# Allegro board ZC7020-PCB.brd (continued)
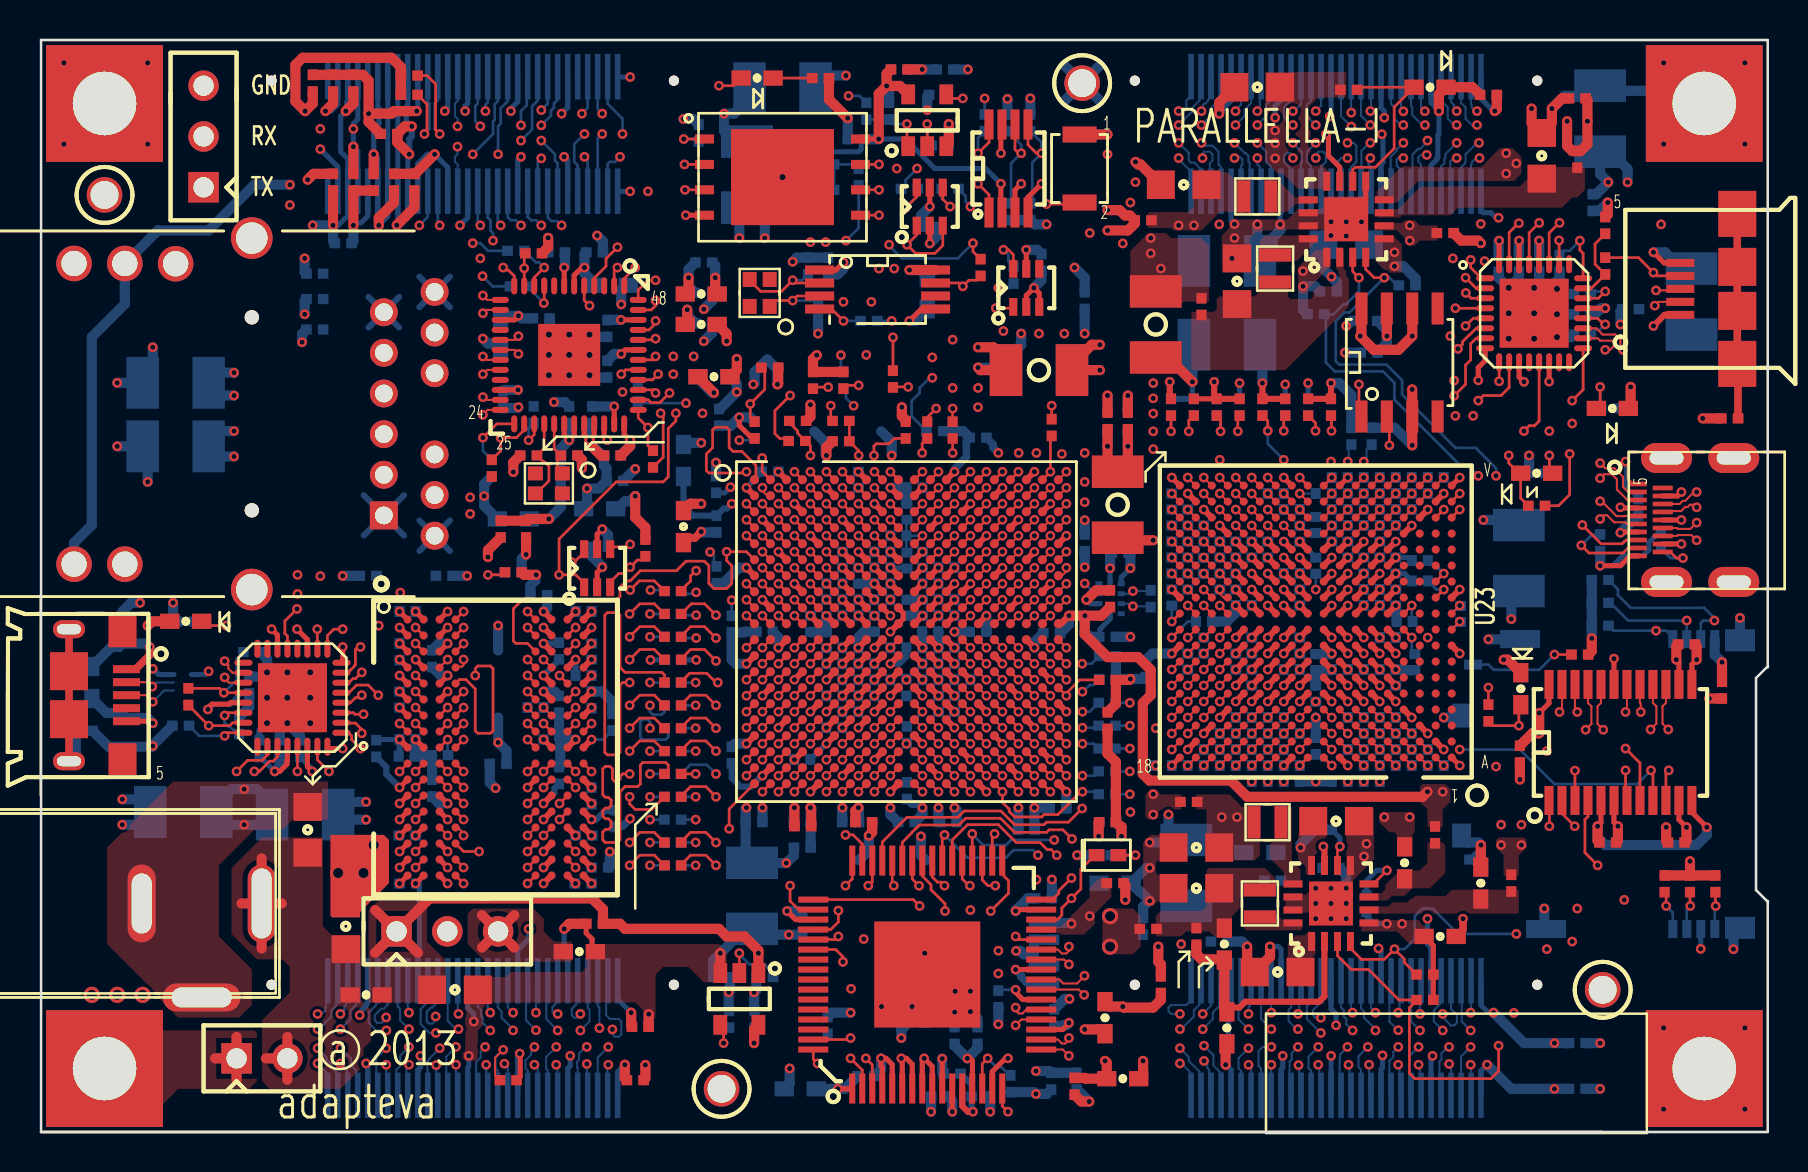
[diagram p0: board, top side]
## Copper pours and planes (outline as drawn; the poured copper is in the pictures) (continued)
2P5V on L10_SIG: 13.77,48.77 13.52,49.02 13.52,51.82 14.15,52.45 28.25,52.45 30.03,50.67 41.2,50.67 45.9,45.97 48.69,45.97 51.74,42.93 53.77,42.93 53.84,42.86 55.11,42.86 55.43,42.55 55.43,37.85 54.92,37.34 54.92,36.96 54.54,36.58 53.27,36.58 53.14,36.7 53.14,37.59 53.65,38.1 53.65,40.51 53.39,40.77 52.5,40.77 52.38,40.64 48.31,40.64 47.42,41.53 47.04,41.53 46.41,42.16 44.88,42.16 44.38,42.67 44,42.67 42.73,43.94 42.73,44.58 42.6,44.7 41.84,44.7 39.3,47.24 31.04,47.24 30.79,47.5 25.33,47.5 22.28,50.55 17.71,50.55 15.93,48.77
3P3V on TOP: 73.21,13.84 73.21,12.83 73.97,12.83 73.97,13.84 74.35,14.22 74.35,14.61 74.22,14.73 72.95,14.73 72.82,14.61 72.82,14.22
3P3V on BOTTOM: 14.02,53.72 14.53,53.72 14.53,51.82 13.9,51.82 13.52,51.44 13.52,48.39 13.9,48.01 14.53,48.01 14.53,46.1 12.37,46.1 12.12,46.35 12.12,51.56 13.39,52.83 13.39,53.09
3P3V on L7_PWR: 73.97,21.59 73.97,25.15 72.95,25.15 72.95,34.16 79.43,34.16 79.43,34.72 85.65,34.72 85.65,0.81 34.8,0.81 34.72,0.89 34.72,28.88 34.47,29.13 22.79,29.13 22.66,29.01 22.15,29.01 22.02,29.13 16.18,29.13 16.18,42.93 14.4,44.7 13.13,44.7 12.12,45.72 12.12,47.88 12.17,47.93 18.21,47.93 19.1,47.04 19.1,31.8 19.36,31.55 26.34,31.55 26.98,30.91 34.34,30.91 34.72,31.29 34.72,35.61 35.36,35.61 35.49,35.74 35.49,37.77 35.23,38.02 34.72,38.02 34.6,38.15 34.6,38.91 34.47,39.04 34.47,49.45 40.82,49.45 41.46,50.09 42.22,50.09 43.11,49.2 43.11,47.8 43.49,47.42 43.49,45.77 44.25,45.01 44.25,40.94 44,40.69 41.58,40.69 41.2,40.31 41.2,37.64 41.84,37.01 43.49,37.01 43.74,36.75 43.74,34.47 43.61,34.34 43.61,33.2 43.49,33.07 41.96,33.07 41.58,32.69 41.58,29.9 40.19,29.9 40.06,29.77 40.06,23.29 40.69,22.66 40.69,21.26 40.06,20.62 40.06,19.48 39.17,18.59 39.17,14.66 39.8,14.02 48.31,14.02 48.82,14.53 52.25,14.53 52.63,14.15 53.77,14.15 53.82,14.1 54.66,14.1 56.57,12.19 71.3,12.19 72.7,13.59 72.7,14.86 74.6,14.86 75.62,15.88 75.62,21.59
3P3V on L8_SIG: 39.04,23.55 39.42,23.93 43.11,23.93 43.87,23.16 43.87,19.61 43.49,19.23 43.11,19.23 42.85,19.48 42.85,21.89 42.6,22.15 39.17,22.15 39.04,22.28
5P0V on TOP: 16.44,11.56 16.44,6.48 20.25,6.48 20.25,8.64 19.36,9.53 19.36,11.56
5P0V_IN on TOP: 14.66,9.78 14.15,10.29 14.15,14.73 11.1,14.73 9.58,13.21 9.58,9.91 10.85,8.64 12.12,8.64 12.5,8.26 12.5,6.99 11.1,5.59 11.1,2.54 11.48,2.16 15.04,2.16 16.18,3.3 16.18,4.19 16.56,4.57 16.56,6.1 16.06,6.6 16.06,9.78
HDMI_AVDD on L3_SIG: 48.06,3.48 48.82,2.72 50.22,2.72 50.6,3.1 50.6,4.5 51.11,5 51.74,5 52,4.75 52.5,4.75 52.76,5 52.76,5.89 52.38,6.27 51.23,6.27 50.85,6.65 50.85,7.8 50.22,8.43 48.69,8.43 48.44,8.18 48.44,7.67 48.69,7.42 48.95,7.42 49.2,7.16 49.2,5.13 48.06,3.99
HDMI_BGVDD on BOTTOM: 44,7.49 44,6.6 43.97,6.63 43.97,4.83 44.6,4.19 45.37,4.19 46.13,3.43 46.66,3.43 47.14,3.91 47.14,4.7 45.27,4.7 45.11,4.85 45.11,7.49
HDMI_DVDD on BOTTOM: 38.38,1.78 40.41,1.78 41.05,2.41 41.05,3.05 40.54,3.05 40.16,3.43 40.16,5.21 39.04,5.21 38.85,5.4 38.85,6.21 40.19,7.54 41.33,7.54 41.71,7.92 47.47,7.92 48.06,8.51 48.06,9.83 49.33,11.1 50.09,11.1 50.09,11.99 48.69,11.99 48.19,11.48 48.19,11.43 47.93,11.18 47.93,10.79 47.17,10.03 47.17,8.89 46.97,8.69 41.71,8.69 41.67,8.72 41.49,8.72 40.64,9.58 40.06,9.58 39.8,9.83 39.8,10.4 38.79,11.42 37.26,11.42 37.01,11.16 37.01,10.85 37.26,10.59 38.47,10.59 38.66,10.4 38.66,9.39 37.58,8.31 37.58,4.56 37.9,4.24 37.9,3.35 38.38,2.87
HDMI_PVDD on L8_SIG: 53.65,3.94 52.38,3.94 51.36,2.92 46.79,2.92 46.28,2.41 46.28,0.89 46.41,0.76 46.92,0.76 47.17,1.02 47.17,1.27 47.3,1.4 48.57,1.4 48.82,1.14 51.74,1.14 53.9,3.3 53.9,3.68
P0_VBUS on BOTTOM: 68.38,40.06 69.65,40.06 70.79,38.91 71.05,39.17 71.05,39.12 72.44,40.51 73.33,40.51 74.6,41.78 76.13,41.78 76.25,41.91 76.25,42.04 76.38,42.16 76.89,42.16 76.89,41.66 76.63,41.4 75.75,41.4 75.36,41.02 75.36,39.37 75.62,39.12 77.4,39.12 77.9,38.61 79.43,38.61 79.68,38.86 79.68,41.4 80.32,41.4 80.32,41.02 80.7,40.64 83.87,40.64 83.87,38.99 83.62,38.99 80.57,35.94 78.67,35.94 78.67,36.45 79.56,36.45 80.06,36.96 80.06,37.47 79.94,37.59 76.51,37.59 76.13,37.97 69.32,37.97 68.38,38.91
SYS_5P0V on TOP: 64.57,44.12 63.81,44.12 62.92,43.23 62.92,42.04 63.05,41.91 63.3,41.91 63.43,42.04 63.43,42.16 64.57,43.31
SYS_5P0V on TOP: 66.79,44.82 66.79,43.55 67.36,42.98 68.13,42.98 68.13,44.37 67.68,44.82
SYS_5P0V on TOP: 63.68,12.88 63.68,13.77 64.32,14.4 64.32,16.13 63.05,16.13 63.05,14.99 62.92,14.86 62.92,13.64 63.3,13.26 63.3,12.88
SYS_5P0V on TOP: 63.81,9.96 63.81,8.89 63.68,8.76 63.68,7.37 62.41,7.37 62.41,9.42 62.66,9.68 62.66,9.7 62.79,9.83 63.24,9.83 63.36,9.96
SYS_5P0V on TOP: 68.94,47.55 73.71,47.55 74.09,47.93 74.09,48.76 73.65,49.2 73.01,49.2 72.07,48.26 69.52,48.26 69.5,48.29 68.1,48.29 66.86,47.04 66.86,46.53 66.91,46.48 67.87,46.48
SYS_5P0V on TOP: 66.09,10.59 66.09,10.03 67.87,10.03 68.51,9.4 69.65,9.4 69.65,10.16 69.4,10.16 68.96,10.59
SYS_5P0V on TOP: 65.33,51.74 65.33,53.01 61.27,53.01 61.27,48.56 61.9,47.93 62.16,47.93 62.92,47.17 64.44,47.17 64.44,48.06 63.55,48.95 63.55,51.36 63.93,51.74
SYS_5P0V on L6_PWR: 13.01,0.81 13.01,9.02 11.1,10.92 11.1,29.46 8.05,32.51 8.05,37.77 12.12,41.83 12.12,44.88 13.77,46.53 42.47,46.53 42.52,46.48 43.11,46.48 43.61,46.99 49.58,46.99 50.27,47.68 55.43,47.68 55.43,39.37 55.63,39.17 68.51,39.17 69.52,38.15 75.87,38.15 76.13,37.9 76.13,29.21 72.57,29.21 72.57,25.91 73.59,24.89 76,24.89 76,24.31 76.13,24.18 76.13,14.1 75.49,13.46 65.59,13.46 65.59,14.86 62.66,14.86 62.66,0.81 85.65,0.81 85.65,53.77 0.82,53.77 0.82,0.81
SYS_5P0V on L10_SIG: 20.63,11.43 13.39,11.43 11.86,9.91 2.59,9.91 1.96,9.27 1.96,6.22 2.21,5.97 5.01,5.97 6.53,4.45 16.06,4.45 18.21,6.6 19.74,6.6 21.26,8.13 21.26,10.79
USB_VBUS on TOP: 21.39,10.92 21.39,9.4 22.28,8.51 26.6,8.51 26.6,9.53 25.71,9.53 25.2,10.03 25.2,10.67 24.69,11.18 21.64,11.18
USB_VBUS on L8_SIG: 12.91,1.42 12.37,1.96 10.4,1.96 9.36,3 9.36,3.51 8.5,4.37 8.5,4.43 8.24,4.69 8.24,6.86 4.63,10.48 4.63,26.53 4.88,26.78 7.23,26.78 8.31,25.7 8.31,21.83 9.01,21.13 9.01,18.03 11.23,15.81 11.23,15.62 14.79,12.06 16.56,12.06 17.2,11.43 22.91,11.43 23.93,10.41 23.93,9.02 22.28,7.37 20.37,7.37 19.48,6.48 19.48,4.57 19.87,4.19 19.87,2.03 18.72,0.89 13.13,0.89 12.88,1.14 12.91,1.17
ZYNQ_VCCPLL on L8_SIG: 33.52,37.2 34.28,37.2 34.72,36.75 34.72,34.53 35.29,34.09 36.31,33.07 36.31,32.75 40.5,28.56 40.95,28.56 41.2,28.31 41.2,27.93 40.76,27.48 40.19,27.48 35.17,32.5 34.91,32.5 33.39,34.02 33.39,37.07
N20734865 on L6_PWR: 34.22,31.8 33.84,31.42 33.84,27.99 33.07,27.23 33.07,24.31 33.58,23.8 34.09,23.8 34.98,24.69 42.85,24.69 42.98,24.82 42.98,25.32 42.85,25.45 35.36,25.45 34.34,26.47 34.34,26.97 34.85,27.48 34.85,30.91 35.11,31.17 35.11,31.55 34.85,31.8
N20927995 on BOTTOM: 13.87,43.31 20.22,43.31 20.86,42.67 20.86,41.15 20.47,40.77 20.35,40.77 20.22,40.89 19.46,40.89 18.32,39.75 16.54,39.75 16.03,39.24 16.03,32.77 16.66,32.13 18.32,32.13 19.33,31.11 20.47,31.11 20.98,30.61 20.98,29.21 20.35,28.57 20.22,28.57 20.09,28.45 20.09,27.56 16.54,27.56 16.54,28.57 16.16,28.96 14,28.96 13.24,29.72 13.24,38.99 13.87,39.62
N22934179 on TOP: 62.11,10.62 61.67,11.05 60.23,11.05 60.23,10.21 60.35,10.08 63.07,10.08 63.12,10.13 63.12,10.62
N22939905 on TOP: 55.81,9.78 57.08,9.78 57.33,10.03 58.47,10.03 58.73,9.78 59.62,9.78 59.62,10.79 60,11.18 60,11.68 60.12,11.81 61.78,11.81 61.78,12.7 61.27,13.21 58.47,13.21 58.35,13.08 58.35,11.3 58.09,11.05 56.06,11.05 55.81,10.79
N22955654 on TOP: 65.2,43.18 65.2,44.07 64.82,44.07 64.82,43.18 64.95,43.05 64.95,42.55 64.7,42.29 63.93,42.29 63.68,42.04 63.68,41.78 63.55,41.66 62.54,41.66 62.41,41.78 62.41,42.8 60.89,42.8 60.89,41.91 60.76,41.78 58.98,41.78 58.85,41.66 58.85,41.15 58.73,41.02 57.58,41.02 57.58,38.1 62.28,38.1 65.46,41.27 65.46,42.67 65.33,42.8 65.33,43.05
N22955725 on TOP: 60.51,47.55 60.51,46.02 59.11,46.02 59.08,46 59.01,46 58.09,45.09 56.7,45.09 56.57,45.21 55.43,45.21 55.43,46 57.43,46 57.71,46.28 57.71,48.01 59.36,48.01 59.82,47.55
N22955745 on TOP: 63.81,46.41 63.81,46.74 62.79,46.74 61.98,47.55 61.27,47.55 61.27,46.02 62.41,46.02 62.79,46.41
N22955797 on TOP: 63.81,44.75 63.73,44.75 63.81,44.83 61.27,44.83 61.01,44.58 61.01,43.56 61.04,43.59 62.89,43.59 63.81,44.5
N22979034 on TOP: 73.89,10.92 66.02,10.92 66.02,11.28 67.44,11.28 67.64,11.48 68.38,11.48 68.56,11.66 68.63,11.66 68.79,11.81 69.78,11.81 69.79,11.8 70.3,11.8 70.61,12.12 73.97,12.12 73.97,11
N22979674 on TOP: 67.39,11.58 66.02,11.58 66.02,11.94 67.08,11.94 67.29,12.14 67.29,12.37 67.9,12.98 67.9,13.08 69.01,13.08 69.4,13.46 69.4,14.48 70.16,14.48 70.28,14.35 70.28,12.95 69.52,12.19 68.63,12.19 68.25,11.81 67.62,11.81
N23028604 on TOP: 68.43,44.32 68.4,44.35 68.4,44.55 67.87,45.09 66.73,45.09 66.73,45.47 68.13,45.47 68.25,45.59 68.76,45.59 69.01,45.34 69.9,45.34 69.9,44.58 69.01,44.58 68.76,44.32
N23028604 on BOTTOM: 67.74,45.59 68.63,45.59 68.76,45.47 68.76,44.45 68.51,44.2 68.13,44.2 68,44.32 67.49,44.32 67.36,44.2 67.36,43.81 67.24,43.69 66.98,43.69 66.79,43.5 66.73,43.56 66.73,43.69 65.84,43.69 65.84,45.09 67.24,45.09
N23029208 on TOP: 66.86,46.15 67.92,46.15 69.04,47.27 70.26,47.27 70.28,47.29 74.02,47.29 74.48,47.75 74.48,48.26 77.27,48.26 77.27,47.12 76.89,46.74 76.63,46.74 76.13,46.23 70.92,46.23 70.54,45.85 68.13,45.85 68,45.72 66.98,45.72 66.86,45.85
N23204370 on TOP: 5.9,0.38 0.43,0.38 0.43,5.97 6.02,5.97 6.02,5.08 10.72,5.08 10.85,4.95 10.85,2.54 10.47,2.16 6.91,2.16 6.02,1.27 6.02,0.51
N23924961 on TOP: 53.58,12.69 53.58,11.75 52.76,10.92 52.76,10.41 52.21,9.87 51.07,9.87 50.98,9.96 49.58,9.96 49.58,10.27 51.04,10.27 52.5,11.73 52.5,12.19 53,12.69
N23924961 on BOTTOM: 51.49,10.03 52.76,10.03 53.14,10.41 53.14,11.05 53.39,11.3 53.39,12.83 52.38,12.83 52,12.45 52,11.43 51.23,10.67 51.23,10.29
N25830704 on BOTTOM: 62.41,14.35 62.54,14.22 62.54,13.84 62.66,13.72 63.3,13.72 64.06,14.48 64.32,14.48 64.44,14.35 64.44,13.72 64.32,13.59 64.32,12.95 63.3,12.95 62.66,12.32 61.9,12.32 61.9,12.95 61.39,13.46 61.39,14.35
N25830712 on TOP: 57.84,16.13 58.35,16.13 58.35,13.59 60.76,13.59 61.01,13.84 61.01,16.26 60.12,16.26 59.49,16.89 57.84,16.89
N25830712 on BOTTOM: 60,16.13 59.11,16.13 58.85,15.88 58.85,12.7 59.24,12.32 61.39,12.32 61.39,12.83 60,12.83 59.49,13.34 59.49,13.46 59.62,13.59 60.63,13.59 60.63,14.35 59.62,14.35 59.49,14.48 59.49,14.61 60.12,15.24 60.12,16
N25830793 on TOP: 63.12,12.29 63.12,13.06 62.61,13.56 62.61,16.21 62.54,16.28 61.75,16.28 61.75,14.63 61.5,14.38 61.5,13.72 62.21,13 62.21,12.27 63.1,12.27

## Text on the board
BOTTOM: LAYER 12 SOLDER SIDE
Board Geometry/Soldermask Bottom: SOLDERMASK BOTTOM
Ref Des/Silkscreen Bottom: SILK SCREEN BOTTOM
User.Comments: FOR MANUFACTURE OR THE SALES OF APARATUS | THIS DRAWING AND SPECS ARE THE PROPERTY | OF ADAPTEVA AND SHALL NOT | BE REPRODUCED, COPIED OR USED AS THE BASIS | ADAPTEVA. | WITHOUT EXPRESS WRITTEN AUTHORIZATION FROM | ADAPTEVA PROPIETARY AND CONFIDENTIAL | XXXXXXXXXXXXX | XXXXXXXXXXXXXXX | TEL: XXXXXXXXXXXX
TOP: LAYER 1   PRIMARY SIDE
Board Geometry/Soldermask Top: SOLDER MASK TOP
Ref Des/Silkscreen Top: GND | RX | TX | adapteva | a 2013 | SILK SCREEN TOP | PARALLELLA-I
L2_GND: LAYER 2    GROUND PLANE
L3_SIG: LAYER 3 SIGNAL
L4_GND: LAYER 4 GND
L5_SIG: LAYER 5 SIGNAL
L6_PWR: LAYER 6 PWR
L7_PWR: LAYER 9 PWR
L8_SIG: LAYER 8 SIGNAL
L9_GND: LAYER 9 GND
L10_SIG: LAYER 10 SIGNAL
L11_GND: LAYER 11 GND PLANE
DIMENSION: MAY BE DRILLED AT .020"
DISPLAY_BOTTOM: XXXXXXXXXXXX. | PARALLELLA-I BOARD | ADAPTEVA
User.6: SOLDER PASTE TOP
User.7: SOLDER PASTE BOTTOM
User.19: FOR MANUFACTURE OR THE SALES OF APARATUS | THIS DRAWING AND SPECS ARE THE PROPERTY | OF ADAPTEVA SYSTEMS INC. AND SHALL NOT | BE REPRODUCED, COPIED OR USED AS THE BASIS | ADAPTEVA SYSTEMS INC. | WITHOUT EXPRESS WRITTEN AUTHORIZATION FROM | ADAPTEVA PROPIETARY AND CONFIDENTIAL | XXXXXXXXXXXXX | XXXXXXXXXXXXXXX | TEL: XXXXXXXXXXXX | DRAWN | CHKD | DESIGN | ENG | APPROVED | APPROVALS | SIZE | SCALE | DRAWING NO. | NONE | DR CODE | SHEET 2 OF 2 | BDS | DATE | 02/22/12 | ADAPTEVA | REV | FAB DRAWING | PARALLELA-I BOARD | XXXXX | A
User.21: BOARD OUTLINE
User.22: PLUG LAYER BOTTOM
User.26: FAB DRAWING | 1
User.45: 9805-14066-002 | 370H | LAYER 10 SIGNAL | LAYER 11 PLANE | LAYER 2 PLANE | LAYER 3 SIGNAL | LAYER 4 PLANEL | LAYER 5 SIGNAL | LAYER 6 PLANE | LAYER 9 PLANE | LAYER 7 SIGNAL | LAYER 8 PLANE | SOLDER SIDE | SOLDER SIDE SOLDERMASK | SOLDER SIDE SILKSCREEN | COMPONENT SIDE SILKSCREEN | COMPONENT SIDE SOLDERMASK | COMPONENT SIDE | .005 | .0037 | .0049 | .0035 | .5 OZ CU | .5 OZ CU (1.5 OZ CU FINISH) | 1.0 OZ CU | INCLUDING MASK | AND PLATING | +/- 10% | .062 | ASSEMBLY DRAWING | 1 | FIGURE | SIZE | 10.0 | 12.0 | 20.0 | 35.0 | 40.0 | 50.0 | 55.0 | 62.0 | 125.0 | 128.0 | 47.24x19.69 | 66.93x25.59 | 118.11x39.37 | 137.8x39.37 | DRILL CHART: TOP to BOTTOM | ALL UNITS ARE IN MILS | TOLERANCE | +0.0/-10.0 | +0.0/-12.0 | +3.0/-3.0 | +5.0/-0.0 | +5.0/-5.0 | PLATED | NON-PLATED | QTY | 1810 | 28 | 8 | 12 | 5 | 4 | 2 | 13. FINISH:              IMMERSION GOLD COATING (2-7 MICRO-INCHES) OVER NICKEL (MINIMMUM | 10. TOOLING HOLES MUST BE PRIMARY DRILLED AT THE SAME TIME AS PLATED-THRU HOLES. ALL HOLES MUST BE WITIN | 11. DIMENSIONAL TOLERANCES ON THE PCB ARE AS FOLLOWS UNLESS OTHERWISE SPECIFIED; | 19. IMPEDANCE:          MINOR MODIFICATION TO ARTWORK ALLOWED TO MEET IMPEDANCE | REQUIREMENTS | 16. THEIVING OF OUTER LAYERS IS ACCEPTABLE AS LONG AS THE COPPER IS KEPT A MINIMUM OF .200" FROM | 12. PADS MUST BE FINISHED TO WITHIN +/-.0015" OF THE MINOR DIMENSION (PAD WIDTH) & +/-.002" | 14. GLOBAL AND LOCAL FIDUCIALS MUST BE FREE OF ANY MARKINGS. | 15. REMOVAL ON NON-FUNCTIONAL PADS ON INNER LAYERS ALLOWED. | 18. PRIOR TO BOARD FABRICATION, COMPARE GERBER DATA TO SUPPLIED IPC-D-356 NETLIST. | 22. TEARDROPS:          TEARDROPS MAY BE ADDED BY VENDOR TO IMPROVE MANUFACTURING. | 17. ELECTRICAL TEST:    FINISHED PCB TO BE SUBJECT TO 100% CONTINUITY AND | TAKE PRECEDENCE. | IF DISCREPENCIES EXIST BETWEEN "BOARD_OUTLINE.ART" AND FAB DWG. "BOARD_OUTLINE.ART" | 20. DIMENSIONS:         VENDOR TO USE SUPPLIED FILM FILE "BOARD_OUTLINE.ART" FOR MISSING DIMENSIONS. | 21. VIA PLUGGING:       VENDOR TO PLUG ALL VIAS .012 INCHES AND SMALLER USING NON-CONDUCTIVE EPOXY | 4. MATERIAL: FR4 370H | 6. SILKSCREEN NOMENCLATURE TO BE WHITE NON-CONDUCTIVE INK AND NOT COVER ANY PORTION OF A | 5. PLATED THRU HOLES TO HAVE COPPER WALL THICKNESS NOT LESS THAN 0.002". THICKNESS TO BE DETERMINED | NOTES: | 1. LATEST VERSION OF ALL REFERENCED SPECIFICATIONS TO BE USED UNLESS OTHERWISE SPECIFIED. | 2. FABRICATE IN ACCORDANCE WITH IPC-A-600, CLASS 2 UNLESS OTHERWISE SPECIFIED. | 3. | 3. INSPECT IN ACCORDANCE WITH IPC-6012, CLASS 2, UNLESS OTHERWISE SPECIFIED. | 7. UL LOGO, DATE CODE AND VENDOR CODE MUST APPEAR IN ETCH ON PRIMARY SIDE . SECONDARY SIDE IS | 9. SOLDER MASK SHALL BE CAPABLE OF FIVE SOLDER EXPOSURES AT 500 DEGRESS F. | 8. USE LPI SOLDER MASK OVER BARE COPPER PER SUPPLIED ARTWORK PER IPC-SM-840, CLASS 2, | .003" OF RADIAL TRUE POSITION. | COMPONENT PAD. FABRICATOR TO CLIP ANY NON-CONFORMING SILKSCREEN NOMENCLATURE. | FINISHED BOARD MUST MEET UL94V-0. THICKNESS TO BE .062" - SEE LAYER DETAIL. | ACCEPTABLE IF THERE IS NO ROOM ON PRIMARY SIDE. | BY IPC-6012, CLASS 2. | OF THE MAJOR DIMENSION (PAD LENGTH) | ANY DESIGN FEATURE UNLESS OTHERWISE SPECIFIED. | REPORT ALL DISCREPANCIES. | COLOR - BLUE. FINISH - ENIG. | HOLE TO HOLE +/-.005" | EDGE TO EDGE +/-.010" | HOLE TO EDGE +/-.010" | ISOLATION ELECTRICAL TEST AT 100V MINIMUM. TEST FIXTURES TO | BE GENERATED FROM IPC-D-356 FORMATTED NET LIST DATA CROSS- | REFERENCED TO GERBER EXTRACTED NET LIST DATA. | 100 MICRO-INCHES) PER IPC-4552. | 5.25 MIL LINES ON LAYER 1 AND 12 TO YEILD 50 OHMS +/- 10%. | 3.75 MIL LINES WITH 8.25 MIL SPACE TO YEILD 100 OHMS DIFFERENTIAL | +/- 10% ON LAYERS 3, 5, 8 AND 10. | 4.25 MIL LINE ON LAYER 3, 5, 8 AND 10 TO YEILD 50 OHMS +/- 10 %. | AND OVERPLATE WITH COPPER, .0005 INCHES MINIMUM, PRIOR TO APPLICATION OF SOLDERMASK. | LAYER DETAIL | VIEWED FROM COMPONENT SIDE | 1. WORKMANSHIP TO CONFORM TO IPC-A-610 CLASS 2. | 2. FOLLOW SILKSCREEN OUTLINE FOR COMPONENT ORIENTATION. | VIEWED FROM SOLDER SIDE
